# Altium PCB edison_gateway_v3.PcbDoc (part 2 of 3)
Units mil, origin at the board's own origin, x right, y up, seen from the top; angles counter-clockwise.
Board outline 3917.32 x 3149.61 mil, 6 copper layers (Top Layer, GND, Signal Layer 1, VCC, GND (Mid4), Bottom Layer), stack 48.468 mil thick; 252 components, 213 nets, 1042 pads, 505 vias.
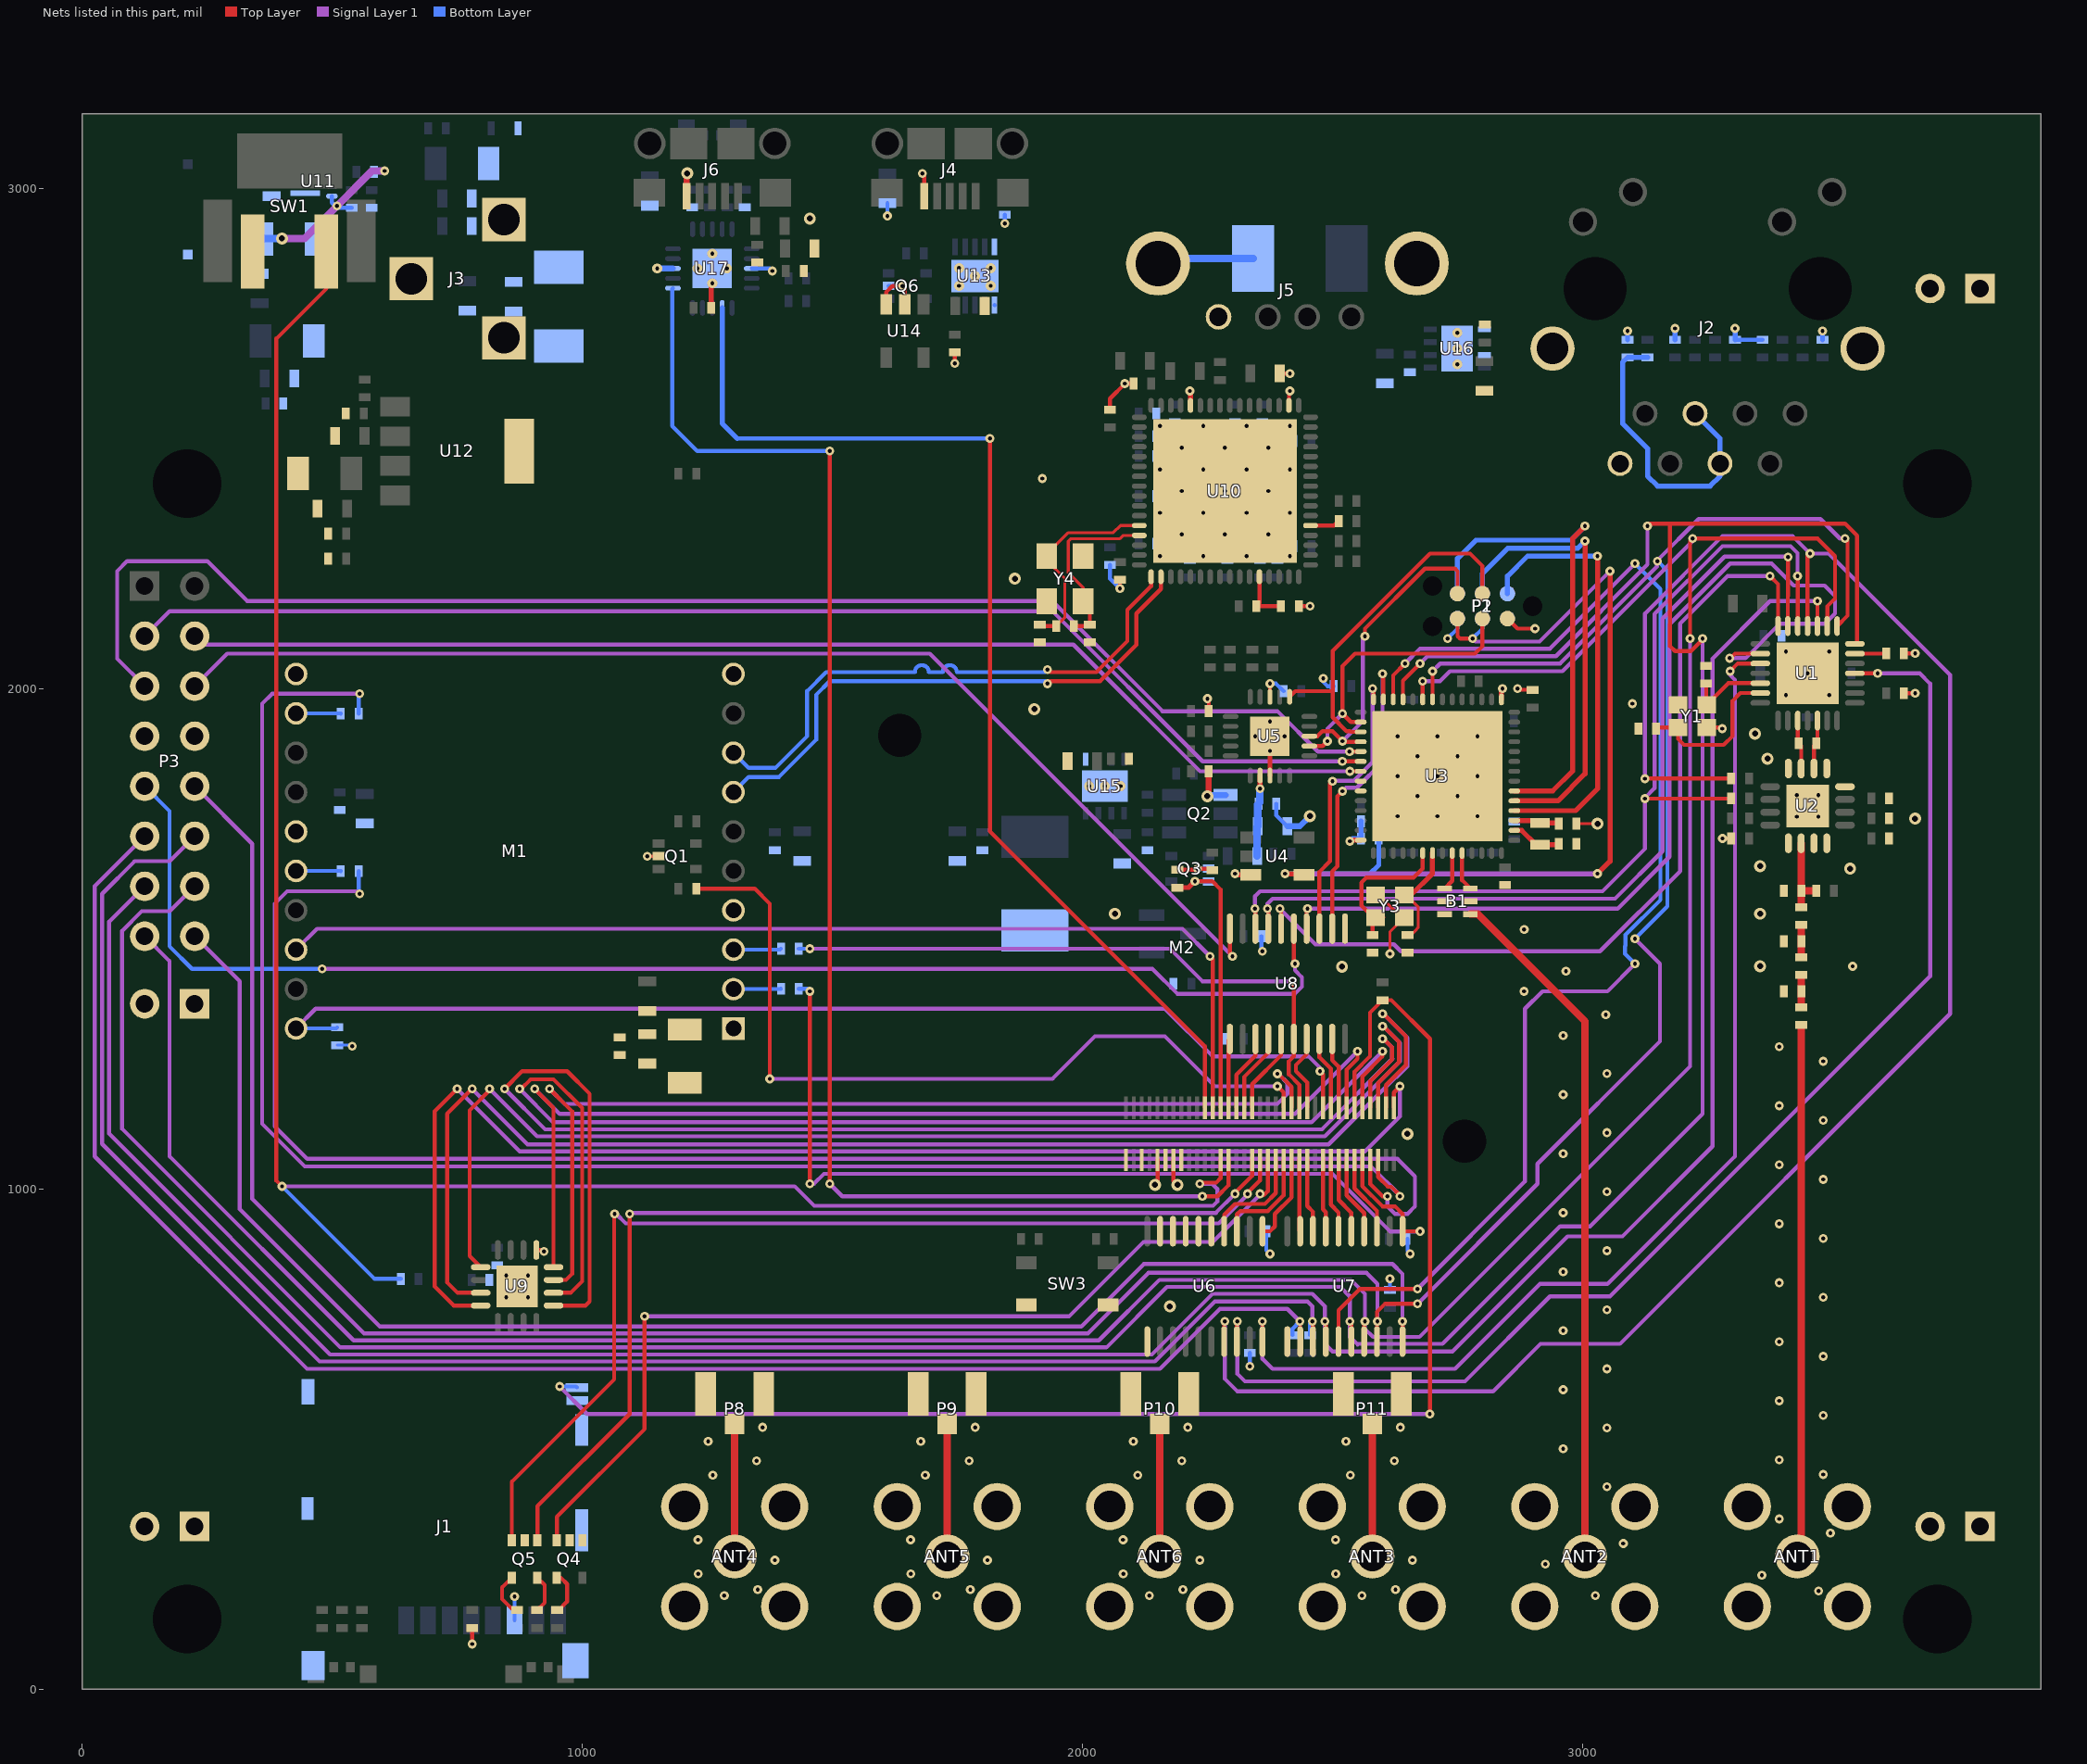
[diagram p6: the nets of this part, all layers, seen from the top]

## Part data
ANT1 ANT2 ANT3 ANT4 ANT5 ANT6: "CONN SMA JACK"
B1: "2.45 GHz Balun for TI CC253X"
C1 C49 C54 C58: library part TLNK107M010R2500, "100μF ±20% Molded Tantalum Capacitors 10V 1206"
C2 C5 C7 C8 C25 C51 C53 C55 C56 C57 C60 C61 C70 C93 C95 C97 C101 C103 C105 C107: library part GRM188C81C106MA73D, "10μF ±20% 16V Ceramic Capacitor X6S 0603"
C3 C4 C6 C9 C13 C14 C19 C24 C26 C32 C33 C34 C35 C36 C37 C38 C39 C63 C64 C65 C66 C67 C68 C69 C71 C72 C74 C75 C76 C77 C78 C79 C80 C81 C82 C83 C84 C85 C86 C87 C88 C89 C91 C106 C108 C111: library part GRM155R71C104KA88D, "0.10μF ±10% 16V Ceramic Capacitor X7R 0402"
C10 C20 C21 C30 C31: library part 500R07S120GV4T, "12pF ∮2% 50V Ceramic Capacitor C0G, NP0 0402"
C11 C29: library part C1005C0G1H102J050BA, "1000pF ∮5% 50V Ceramic Capacitor C0G, NP0 0402"
C12 C40 C52 C59 C62 C73 C92 C94 C96 C100 C102 C104: library part C1005X6S1C105K050BC, "1μF ±10% 16V Ceramic Capacitor X6S 0402"
C15: library part 500R07S180GV4T, "18pF ∮2% 50V Ceramic Capacitor C0G, NP0 0402"
C16 C17: library part 500R07S2R2BV4T, "2.2pF ∮0.1pF 50V Ceramic Capacitor C0G, NP0"
C18: library part 500R07S0R2AV4T, "0.20pF ∮0.05pF 50V Ceramic Capacitor C0G, NP0 0402"
C22 C23: library part 500R07S220GV4T, "22pF ∮2% 50V Ceramic Capacitor C0G, NP0 0402"
C27 C28 C109 C110: library part 500R07N470JV4T, "47pF ∮5% 50V Ceramic Capacitor C0G, NP0 0402"
C41 C42: library part GRM1555C1H330JA01D, "33pF ∮5% 50V Ceramic Capacitor C0G, NP0 0402"
C43: library part GRM155R71C103KA01D, "10000pF ∮10% 16V Ceramic Capacitor X7R 0402"
C44: library part GRM155R71H223KA12D, "0.022μF ±10% 50V Ceramic Capacitor X7R 0402"
C45 C46 C47 C48: library part GRM1555C1E150JA01D, "15pF ∮5% 25V Ceramic Capacitor C0G, NP0 0402"
C50: library part CL31A226MOCLNNC, "22μF ±20% 16V Ceramic Capacitor X5R 1206"
C90: library part C0402C221K5RACTU, "220pF ∮10% 50V Ceramic Capacitor X7R 0402"
C98 C99: library part TAJC157K010RNJ, "150μF ±10% Molded Tantalum Capacitors 10V 2312"
D1 D3: "Green 571nm LED Indication - Discrete 2V 0402 (1005 Metric)"
D2 D5 D9: "Red, Green, Blue (RGB) 626nm Red, 572nm Green, 470nm Blue LED Indication - Discrete 1.9V Red, 2V Green, 3.4V Blue 4-SMD"
D4 D6: "Orange 605nm LED Indication - Discrete 2.1V 0402"
D7: "Zener Diode 5.6V 1W ∮5% Surface Mount SMA"
D8: "Blue 463nm LED Indication - Discrete 2.8V 2-SMD"
D10: "Diode Array 1Pair Common Cathode Schottky 40V 200mA (DC) Surface Mount TO-236-3, SC-59, SOT-23-3"
FB1 FB2 FB3 FB4 FB5 FB6 FB7 FB8 FB9 FB10: library part BLM18SG221TN1D, "FERRITE BEAD 220 OHM 0603"
J1: "Micro SD Slot"
J2: "1x1 Tab-Down RJ45"
J3: "CONN PWR JACK 2.1X5.5MM HIGH CUR"
J4 J6: library part "Micro USB", "CONN USB MICRO B RECPT SMT R/A"
J5: library part A105221-ND, "USB 2.0 Type A"
L1: library part LQG15HS4N7S02D, "4.7nH Unshielded Multilayer Inductor 300mA 180 mOhm Max 0402 (1005 Metric)"
L2: library part L-07C6N8JV6T, "6.8nH Unshielded Multilayer Inductor 250mA 320 mOhm Max 0402 (1005 Metric)"
L3: library part LQG15HN1N0S02D, "1nH Unshielded Multilayer Inductor 300mA 100 mOhm Max 0402 (1005 Metric)"
L4: library part LQG15HN2N0S02D, "2nH Unshielded Multilayer Inductor 300mA 120 mOhm Max 0402 (1005 Metric)"
L5: library part 74404300047, "470nH Shielded Wirewound Inductor 3.8A 16 mOhm Max 1919 (4848 Metric)"
M1: "NimbeLink Skywire cat3, ATT GSM 4G modem"
P1 P2: "TC2030-MCP-NL"
P3 P4 P5 P6 P7: "100 mils standard header"
P8 P9 P10 P11: "U.FL, Ultra Miniature Coaxial Connector Receptacle, Male Pin 50 Ohm Surface Mount Solder"
Q1 Q3 Q4 Q5 Q6: "Common Source Dual N-Channel MOSFET"
Q2: "Load Switch"
R1 R2 R3 R4 R7 R36: library part CRCW04020000Z0EDHP, "RES SMD 0.0 OHM JUMPER 1/5W 0402"
R5 R19 R22 R23 R28 R46 R48 R49 R60 R61: library part CRCW0402330RFKED, "RES SMD 330 OHM 1% 1/16W 0402"
R6 R14 R16 R17 R55 R56 R62: library part CRCW0402100KFKED, "RES SMD 100K OHM 1% 1/16W 0402"
R8 R9 R10 R13 R15 R30 R31 R33 R34 R35 R39 R47 R54: library part CRCW040210K0FKED, "RES SMD 10K OHM 1% 1/16W 0402"
R11: library part RC0402FR-073K9L, "RES SMD 3.9K OHM 1% 1/16W 0402"
R12 R26: library part CRCW040256K0FKED, "RES SMD 56K OHM 1% 1/16W 0402"
R18 R27: library part CRCW0402100RFKED, "RES SMD 100 OHM 1% 1/16W 0402"
R20 R29 R37 R53: library part CRCW0402200RFKED, "RES SMD 200 OHM 1% 1/16W 0402"
R21 R24 R58 R59: library part CRCW040227R0FKED, "RES SMD 27 OHM 1% 1/16W 0402"
R25: library part CRCW04022K20FKED, "RES SMD 2.2K OHM 1% 1/16W 0402"
R38: library part RC0402FR-0712K4L, "RES SMD 12.4K OHM 1% 1/16W 0402"
R40 R50: library part CRCW04021M00FKED, "RES SMD 1M OHM 1% 1/16W 0402"
R41 R42 R43 R44: library part CRCW040249R9FKED, "RES SMD 49.9 OHM 1% 1/16W 0402"
R45: library part CRCW040210R0FKED, "RES SMD 10 OHM 1% 1/16W 0402"
R51: library part CRCW0402634KFKED, "RES SMD 634K OHM 1% 1/16W 0402"
R52: library part CRCW0402162KFKED, "RES SMD 162K OHM 1% 1/16W 0402"
R57: library part CRCW040212K0FKED, "RES SMD 12K OHM 1% 1/16W 0402"
SW1: "Tactile Switch SPST-NO Side Actuated Surface Mount, Right Angl"
SW3: "Tactile Switches"
U1: "2.4 GHZ IEEE 802.15.4/ZIGBEER RF TRANSCEIVER"
U2: "2.4-GHz Range Extender"
U3: "A Powerful System-On-Chip for 2.4-GHz IEEE 802.15.4, 6LoWPAN  and ZigBee Applications"
U4 U14: "Single Bus Buffer Gate With 3-State Output"
U5 U17: "USB to Full-Handshake UART Interface Chip, UHCI/OHCI/EHCI Compatible, USB 2.0 Compatible, -40 to +85 degC, 20-Pin QFN, Pb-Free, Tape and Reel"
U6 U7 U8: "TXS0108E-Q1 8-Bit Bi-directional, Level-Shifting, Voltage Translator  for Open-Drain and Push-Pull Applications"
U9: "6-Channel High-Speed Logic-Level Translators"
U10: "USB 2.0 Hub and 10/100  Ethernet Controller"
U11: "3-A Step-Down Converter With Hiccup Short-Circuit Protection  In 2 ⊙ 2 QFN Package"
U12: "LP387x 0.8-A Fast Ultra-Low-Dropout Linear Regulators"
U13: "High-Speed USB 2.0 (480-Mbps) 1:2 Multiplexer ¡V Demultiplexer  Switch With Single Enable"
U15 U16: "0.5A DUAL CHANNEL CURRENT-LIMITED  POWER SWITCH WITH OUTPUT DISCHARGE"
Y1 Y3: "MHz Range Crystal Unit"
Y2: "32768 Hz SMD Low profile crystal"
Y4: "Crystal 25.0000MHz 20ppm 18pF 50 Ohm"

## Free pads (board coordinates)
  round 0 hole 137 unplated: ""(210.32,140) ""(210.32,2410) ""(3710.32,140) ""(3710.32,2410)

## Via types
v1: diameter 18, hole 8, Top Layer to Bottom Layer, 397 vias
v2: diameter 24, hole 12, Top Layer to Bottom Layer, 59 vias
v3: diameter 20, hole 8, Top Layer to Bottom Layer, 28 vias
v4: diameter 22, hole 8, Top Layer to Bottom Layer, 13 vias
v5: diameter 19.68, hole 8, Top Layer to Bottom Layer, 8 vias

## Nets (pads, with @x,y where several pads share a name; then routed paths per layer and width w, separated by ;. In a path a pad name is that pad's centre, name@x,y a point inside that pad or via, vN(x,y) a via of type N, cw(c..) or ccw(c..) an arc to the next point about the centre after c; other vN are vias at no path point)
BLD_CTRL: P2.5 U3.18 U5.18 | length 641.1
  Top Layer w8: U5.18@2454.06,1905 2470.31,1905 2480.32,1915 2500.32,1915 v1(2520.32,1895) 2521.42,1893.9 U3.18@2556.77,1893.9 ; v1(2565.32,2105) 2565.32,2120.2 2685.11,2240 2745.32,2240 2750.32,2235 P2.5@2750.32,2190
  Signal Layer 1 w8: v1(2520.32,1895) 2561.32,1936 2561.32,2101 v1(2565.32,2105)
BLD_RX: P2.4 U3.16 U5.17 | length 597.7
  Top Layer w8: U5.17@2454.06,1885.31 2480.63,1885.31 v1(2490.32,1895) ; U3.16@2556.77,1933.27 2537.05,1933.27 v1(2520.32,1950) 2520.32,2045 2545.32,2070 2785.32,2070 2800.32,2085 P2.4@2800.32,2140
  Signal Layer 1 w8: v1(2490.32,1895) 2490.32,1920 v1(2520.32,1950)
BLD_TX: P2.3 U3.17 U5.1 | length 736.6
  Top Layer w8: U5.1@2414.69,1983.74 2425.95,1995 2500.32,1995 ; U3.17@2556.77,1913.58 2536.73,1913.58 2535.32,1915 2528.45,1915 2500.82,1942.63 2500.82,2075.5 2695.32,2270 2775.32,2270 2800.32,2245 P2.3@2800.32,2190
CC2520_RF_N: L2.1 U1.19 U2.2 | length 98.6
  Top Layer w8: U2.2@3463.11,1840.43 3463.11,1885.71 L2.1@3468.03,1890.63 3470,1892.6 U1.19@3470,1936.14
CC2520_RF_P: L2.2 U1.17 U2.3 | length 98.6
  Top Layer w8: U1.17@3430.63,1936.14 3430.63,1892.6 L2.2@3432.6,1890.63 3437.52,1885.71 U2.3@3437.52,1840.43
CC2538_PA3: P3.5 U3.19 | length 2905.3
  Top Layer w8: v1(2534.53,1874.21) U3.19@2556.77,1874.21
  Signal Layer 1 w8: P3.5@125.32,2005 70.32,2060 70.32,2235 90.32,2255 250.32,2255 330.32,2175 1940.32,2175 2160.32,1955 2390.32,1955 2471.1,1874.21 v1(2534.53,1874.21)
CC2538_PA4: P3.3 U3.20 | length 2576.8
  Top Layer w8: v1(2520.06,1854.74) 2520.32,1855 2556.3,1855 U3.20@2556.77,1854.53
  Signal Layer 1 w8: P3.3@125.32,2105 175.32,2155 1940.32,2155 2240.57,1854.74 v1(2520.06,1854.74)
CC2538_PA5: P3.4 U3.21 | length 2443.4
  Top Layer w8: v1(2535.32,1834.84) U3.21@2556.77,1834.84
  Signal Layer 1 w8: P3.4@225.32,2105 242.32,2088 1982.32,2088 2235.47,1834.84 v1(2535.32,1834.84)
CC2538_PA6: U3.22
CC2538_PA7: U3.23
CC2538_R\E\S\E\T\: P1.3 P2.6 R25.2 U4.4 | length 1978.3
  Top Layer w8: P2.6@2750.32,2140 2750.32,2105 2755.32,2100 v1(2780.32,2100)
  Top Layer w10: v1(2405.32,1630) 2441.06,1630 U4.4@2443.46,1627.6 ; v1(3030.32,1630) 3055.32,1655 v1(3055.32,2235)
  Signal Layer 1 w8: v1(2780.32,2100) 2786.32,2094 2914.32,2094 v1(3055.32,2235)
  Signal Layer 1 w10: v1(2405.32,1630) v1(3030.32,1630)
  Bottom Layer w8: v1(2780.32,2100) 2800.32,2120 P1.3@2800.32,2140
  Bottom Layer w10: v1(2405.32,1630) 2575.75,1630 2593.03,1647.28 R25.2@2593.03,1700
CC2538_RF_N: B1.3 U3.38 | length 77.7
  Top Layer w8: U3.38@2759.53,1671.46 2759.53,1616.97 B1.3@2775.91,1600.59
CC2538_RF_P: B1.4 U3.37 | length 77.1
  Top Layer w8: B1.4@2724.72,1600.59 2739.84,1615.71 U3.37@2739.84,1671.46
CC2538_TCK: P1.4 U3.47 | length 900.8
  Top Layer w10: U3.47@2863.86,1775.79 2951.1,1775.79 3005.32,1830 v1(3005.32,2295)
  Bottom Layer w10: P1.4@2800.32,2190 2800.32,2230 2851.32,2281 2991.32,2281 v1(3005.32,2295)
CC2538_TDO: P1.6 U3.48 | length 985.1
  Top Layer w10: U3.48@2863.86,1795.47 2940.79,1795.47 2980.32,1835 2980.32,2300 v1(3005.32,2325)
  Bottom Layer w10: P1.6@2750.32,2190 2750.32,2260 2787.32,2297 2977.32,2297 v1(3005.32,2325)
CC2538_TMS: P1.2 U3.46 | length 881.2
  Top Layer w10: U3.46@2863.86,1756.1 2986.42,1756.1 3030.32,1800 v1(3030.32,2265)
  Bottom Layer w10: P1.2@2850.32,2190 2850.32,2225 2890.32,2265 v1(3030.32,2265)
CELLULAR_DIO2: M1.18 M2.24 | length 2172.7
  Top Layer w8: v1(2255.32,1465) 2260.83,1459.49 M2.24@2260.83,1161.97
  Signal Layer 1 w8: M1.18@428.01,1478.15 469.86,1520 2200.32,1520 v1(2255.32,1465)
CELLULAR_ON/OFF: M1.20 M2.52 R6.1 | length 2284.9
  Top Layer w8: v1(2475.32,1235) 2481.3,1229.02 M2.52@2481.3,1161.97
  Signal Layer 1 w8: M1.20@428.01,1320.67 467.34,1360 2165.32,1360 2260.32,1265 2452.18,1265 2475.32,1241.87 v1(2475.32,1235)
  Bottom Layer w8: M1.20@428.01,1320.67 508.27,1320.67 R6.1@510.32,1322.72 ; v1(2475.32,1235) v1@2475.32,1241.87
CELLULAR_RST: M2.42 R7.1 | length 1649.4
  Top Layer w8: R7.1@1228.03,1600 1345.32,1600 1375.32,1570 v1(1375.32,1220) ; v1(2390.32,1205) 2402.56,1192.76 M2.42@2402.56,1161.97
  Signal Layer 1 w8: v1(1375.32,1220) 1940.32,1220 2025.32,1305 2165.32,1305 2265.32,1205 v1(2390.32,1205)
CELLULAR_UART_CTS: M1.12 R4.2 | length 89.8
  Bottom Layer w8: M1.12@428.01,1950.59 517.01,1950.59 R4.2@517.6,1950
CELLULAR_UART_RTS: M1.16 R3.2 | length 89.8
  Bottom Layer w8: M1.16@428.01,1635.63 516.97,1635.63 R3.2@517.6,1635
CELLULAR_UART_RX: M1.3 R2.2 | length 95.7
  Bottom Layer w8: M1.3@1302.62,1478.15 1395.75,1478.15 R2.2@1397.6,1480
CELLULAR_UART_TX: M1.2 R1.2 | length 95.2
  Bottom Layer w8: M1.2@1302.62,1399.41 1397.01,1399.41 R1.2@1397.6,1400
CELLULAR_USB_D_N: M1.8 U10.1 | length 1142.5
  Top Layer w8: v1(1930.32,2038) 1935.32,2033 2028.32,2033 2090.32,2095 2090.32,2157.61 2137.68,2204.98 U10.1@2137.68,2223.74
  Bottom Layer w8: M1.8@1302.62,1871.85 1332.99,1841.48 1386.34,1841.48 1450.04,1905.18 1450.04,1995.18 1487.86,2033 1665.32,2033 cw(c1679.32,2033) 1693.32,2033 1721.32,2033 cw(c1735.32,2033) 1749.32,2033 1765.32,2033 1925.32,2033 v1(1930.32,2038)
CELLULAR_USB_D_P: M1.7 U10.2 | length 1141
  Top Layer w8: v1(1930.32,2010) 1935.32,2015 2035.77,2015 2108.32,2087.54 2108.32,2150.16 2157.36,2199.21 U10.2@2157.36,2223.74
  Bottom Layer w8: M1.7@1302.62,1793.11 1332.99,1823.48 1393.8,1823.48 1468.04,1897.73 1468.04,1987.73 1495.32,2015 1925.32,2015 v1(1930.32,2010)
EDISON_CLK: M2.55 U7.5 | length 153.3
  Top Layer w8: M2.55@2512.8,1058.03 2512.8,977.52 2538.11,952.2 U7.5@2538.11,915.24
EDISON_CLK_3V3: P3.14 U1.28 U3.11 U7.16 | length 6920.9
  Top Layer w8: v1(2535.32,735) 2538.11,732.2 U7.16@2538.11,694.76 ; U3.11@2641.42,1978.54 2641.32,1978.65 2641.32,2016 v1(2675.32,2050) ; v1(3130.32,2325) 3135.32,2330 3525.32,2330 3549.32,2306 3549.32,2094.2 U1.28@3544.8,2089.68 ; 3175.32,2330 3175.32,2085 3185.32,2075 3217.18,2075 3240.32,2098.13 v1(3240.32,2100)
  Signal Layer 1 w8: P3.14@225.32,1605 175.32,1555 119.41,1555 80.32,1515.9 80.32,1119.68 517,683 2048.32,683 2169.32,804 2516.32,804 2535.32,785 v1(2535.32,735) 2535.32,704 2550.32,689 2551.32,690 2720.32,690 2955.32,925 3015.32,925 3240.32,1150 v1(3240.32,2100) ; v1(2675.32,2050) 2690.32,2065 2947.18,2065 3130.32,2248.13 v1(3130.32,2325)
EDISON_CS0: M2.53 U7.6 | length 149.2
  Top Layer w8: M2.53@2497.05,1058.03 2497.05,968.27 2512.52,952.8 U7.6@2512.52,915.24
EDISON_CS0_3V3: U3.12 U7.15 | length 2626.9
  Top Layer w8: U7.15@2512.52,694.76 2512.52,757.2 2555.32,800 v1(2670.32,800) ; U3.12@2621.73,1978.54 2621.73,2026.42 v1(2645.32,2050)
  Signal Layer 1 w8: v1(2645.32,2050) 2675.32,2080 2935.32,2080 v1(3105.32,2250) ; v1(2670.32,800) 2885.32,1015 2885.32,1360 2920.32,1395 3050.32,1395 v1(3105.32,1450)
  Bottom Layer w8: v1(3105.32,1450) 3085.32,1470 3085.32,1485 3086.32,1486 3086.32,1507.87 3156,1577.55 3156,2199.32 v1(3105.32,2250)
EDISON_CS1: M2.51 U7.7 | length 145.1
  Top Layer w8: M2.51@2481.3,1058.03 2481.3,959.02 2486.93,953.39 U7.7@2486.93,915.24
EDISON_CS1_3V3: P3.13 U1.3 U7.14 | length 5547.3
  Top Layer w8: v1(2485.32,735) 2486.93,733.39 U7.14@2486.93,694.76 ; U1.3@3470,2125.12 v1(3470,2175)
  Signal Layer 1 w8: P3.13@125.32,1605 54.32,1534 54.32,1110.68 496,669 2139.32,669 2260.32,790 2460.32,790 2485.32,765 v1(2485.32,735) 2485.32,690 2500.32,675 2740.32,675 2970.32,905 3080.32,905 3260.32,1085 3260.32,2060 3375.32,2175 v1(3470,2175)
EDISON_GP14: M2.48 U8.7 | length 156.1
  Top Layer w8: U8.7@2448.7,1299.76 2448.7,1269.09 2427.11,1247.5 2427.11,1235 2449.8,1212.31 M2.48@2449.8,1161.97
EDISON_GP14_3V3: U1.9 U8.14 | length 2028.5
  Top Layer w8: U8.14@2448.7,1520.24 2448.7,1558.39 v1(2450.32,1560) ; v1(3294.38,2060.93) 3296.25,2060.93 3305.31,2070 U1.9@3355.83,2070
  Signal Layer 1 w8: v1(2450.32,1560) 3070.32,1560 3174.32,1664 3174.32,2128.8 3295.52,2250 3378.45,2250 3422.45,2206 3484.32,2206 3505.32,2185 3505.32,2150 3485.32,2130 3395.32,2130 3326.25,2060.93 v1(3294.38,2060.93)
EDISON_GP19: M2.41 U6.3 | length 213.6
  Top Layer w8: U6.3@2309.29,915.24 2309.29,948.98 2316.06,955.75 2371.06,955.75 2402.56,987.24 M2.41@2402.56,1058.03
EDISON_GP19_3V3: U1.25 U6.18 | length 2616.4
  Top Layer w8: U6.18@2309.29,694.76 2309.29,733.98 v1(2310.32,735) ; U1.25@3544.8,2030.63 v1(3590.32,2030.63)
  Signal Layer 1 w8: v1(2310.32,735) 2310.32,630 2325.32,615 2765.32,615 2935.32,785 3055.32,785 3695.32,1425 3695.32,2010 3674.69,2030.63 v1(3590.32,2030.63)
EDISON_GP20: M2.43 U6.1 | length 175.6
  Top Layer w8: U6.1@2360.47,915.24 2375.55,915.24 2385.32,925 2385.32,950 2418.31,982.99 M2.43@2418.31,1058.03
EDISON_GP20_3V3: U1.10 U6.20 | length 2285.6
  Top Layer w8: v1(2360.32,735) 2360.47,734.84 U6.20@2360.47,694.76 ; v1(3295.32,2035) 3310.63,2050.31 U1.10@3355.83,2050.31
  Signal Layer 1 w8: v1(2360.32,735) 2360.32,660 2380.32,640 2745.32,640 2915.32,810 3050.32,810 3305.32,1065 3305.32,2017.5 3295.32,2027.5 v1(3295.32,2035)
EDISON_GP41: M2.54 U8.8 | length 147.2
  Top Layer w8: U8.8@2474.29,1299.76 2474.29,1262.89 2497.05,1240.14 M2.54@2497.05,1161.97
EDISON_GP41_3V3: U3.14 U8.13 | length 570.6
  Top Layer w8: U8.13@2474.29,1520.24 2474.29,1633.98 2495.32,1655 2495.32,1810 v1(2500.32,1815) ; v1(2580.32,2000) 2582.36,1997.95 U3.14@2582.36,1978.54
  Signal Layer 1 w8: v1(2500.32,1815) 2501.16,1815.84 2543.18,1815.84 2580.32,1852.97 v1(2580.32,2000)
EDISON_GP43: M2.56 U8.9 | length 143.1
  Top Layer w8: U8.9@2499.88,1299.76 2499.88,1257.1 2512.8,1244.19 M2.56@2512.8,1161.97
EDISON_GP43_3V3: U3.13 U8.12 | length 616.3
  Top Layer w8: U8.12@2499.88,1520.24 2499.88,1634.57 2510.1,1644.78 2510.1,1784.78 v1(2520.32,1795) ; v1(2600.32,2030) 2602.05,2028.27 U3.13@2602.05,1978.54
  Signal Layer 1 w8: v1(2520.32,1795) 2527.16,1801.84 2548.98,1801.84 2600.32,1853.17 v1(2600.32,2030)
EDISON_GP45: M2.26 Q3.5 R16.1 | length 562.7
  Top Layer w8: v1(2225.32,1615) 2260.32,1615 2276.57,1598.74 M2.26@2276.57,1161.97
  Top Layer w10: R16.1@2190.32,1602.28 2212.6,1602.28 v1(2225.32,1615)
  Bottom Layer w8: v1(2225.32,1615) 2252.13,1615 Q3.5@2252.72,1614.41
EDISON_GP46: M2.28 U8.1 | length 139
  Top Layer w8: M2.28@2292.32,1161.97 2292.32,1296.93 U8.1@2295.16,1299.76
EDISON_GP46_3V3: P3.6 U8.20 | length 2409.9
  Top Layer w8: U8.20@2295.16,1520.24 2295.16,1470.16 v1(2300.32,1465)
  Signal Layer 1 w8: P3.6@225.32,2005 290.32,2070 1695.32,2070 v1(2300.32,1465)
EDISON_GP47: M2.30 U8.3 | length 153.6
  Top Layer w8: M2.30@2308.07,1161.97 2308.07,1227.76 2346.34,1266.02 U8.3@2346.34,1299.76
EDISON_GP47_3V3: R9.1 U1.5 U8.18 | length 2028.2
  Top Layer w8: v1(2345.32,1560) 2346.34,1558.98 U8.18@2346.34,1520.24 ; v1(3125.32,1780) 3296.97,1780 R9.1@3297.6,1780.63 ; v1(3430.32,2225) 3430.63,2224.69 U1.5@3430.63,2125.12
  Signal Layer 1 w8: v1(2345.32,1560) 2345.32,1585 2355.32,1595 3040.32,1595 3125.32,1680 v1(3125.32,1780) 3125.32,1782 3144.32,1801 3144.32,2149.2 3280.11,2285 3416.32,2285 3430.32,2271 v1(3430.32,2225)
EDISON_GP48: M2.32 U8.4 | length 157.7
  Top Layer w8: M2.32@2323.82,1161.97 2323.82,1223.5 2371.93,1271.61 U8.4@2371.93,1299.76
EDISON_GP48_3V3: U1.6 U8.17 | length 1789.8
  Top Layer w8: v1(2370.32,1560) 2371.93,1558.39 U8.17@2371.93,1520.24 ; U1.6@3410.94,2125.12 3410.94,2185 3411.32,2185.37 v1(3411.32,2263.13)
  Signal Layer 1 w8: v1(2370.32,1560) 2370.32,1570 2380.32,1580 3065.32,1580 3160.32,1675 3160.32,2140 3284.32,2264 3410.45,2264 v1(3411.32,2263.13)
EDISON_GP49: M2.34 U8.5 | length 161.8
  Top Layer w8: M2.34@2339.57,1161.97 2339.57,1209.25 2397.52,1267.2 U8.5@2397.52,1299.76
EDISON_GP49_3V3: U1.7 U8.16 | length 1763
  Top Layer w8: v1(2395.32,1560) 2397.52,1557.8 U8.16@2397.52,1520.24 ; v1(3375.32,2225) 3391.26,2209.06 U1.7@3391.26,2125.12
  Signal Layer 1 w8: v1(2395.32,1560) 2466.32,1489 2623.18,1489 2637.18,1475 3035.32,1475 3195.32,1635 3195.32,2130 3290.32,2225 v1(3375.32,2225)
EDISON_GP183: M2.39 U6.4 | length 220.5
  Top Layer w8: U6.4@2283.7,915.24 2283.7,948.13 2305.32,969.75 2365.06,969.75 2386.81,991.5 M2.39@2386.81,1058.03
EDISON_GP183_3V3: R8.1 U1.4 U6.17 | length 4045.1
  Top Layer w8: U6.17@2283.7,694.76 2283.7,733.39 v1(2285.32,735) ; v1(3125.32,1820) 3125.94,1820.63 R8.1@3297.6,1820.63 ; U1.4@3450.32,2125.12 3450.32,2265 v1(3455.32,2270)
  Signal Layer 1 w8: v1(2285.32,735) 2285.32,620 2310.32,595 2821.32,595 2916.32,690 3075.32,690 3735.32,1350 3735.32,2027.5 3492.81,2270 v1(3455.32,2270) 3420.32,2305 3280.32,2305 3125.32,2150 v1(3125.32,1820)
EDISON_I2C_SCL: M2.45 U7.9 | length 143.5
  Top Layer w8: M2.45@2434.06,1058.03 2434.06,916.93 U7.9@2435.75,915.24
EDISON_I2C_SCL_3V3: P3.11 R31.2 U7.12 | length 3401.6
  Top Layer w8: v1(2435.32,735) 2435.75,734.57 U7.12@2435.75,694.76
  Signal Layer 1 w8: P3.11@125.32,1705 25.32,1605 25.32,1064.68 450,640 2155.32,640 2275.32,760 2410.32,760 v1(2435.32,735)
  Bottom Layer w8: R31.2@2420.32,707.72 2420.32,720 v1(2435.32,735)
EDISON_I2C_SDA: M2.47 U7.8 | length 147.6
  Top Layer w8: M2.47@2449.8,1058.03 2449.8,965.51 2461.34,953.98 U7.8@2461.34,915.24
EDISON_I2C_SDA_3V3: P3.12 R30.2 U7.13 | length 3486.9
  Top Layer w8: v1(2460.32,735) 2461.34,733.98 U7.13@2461.34,694.76
  Signal Layer 1 w8: P3.12@225.32,1705 175.32,1655 105.32,1655 40.32,1590 40.32,1089.68 475,655 2145.32,655 2265.32,775 2450.32,775 2460.32,765 v1(2460.32,735)
  Bottom Layer w8: R30.2@2455.32,707.72 2455.32,730 v1(2460.32,735)
EDISON_LED_BLUE: M2.37 Q4.5 | length 1927.2
  Top Layer w8: Q4.5@949.41,297.4 949.41,344.41 1125,520 v1(1125,745) ; v1@2362.92,987.4 2371.06,995.55 M2.37@2371.06,1058.03
  Signal Layer 1 w8: v1(1125,745) 1973.45,745 2122.45,894 2261.18,894 2355.32,988.13 v1(2355.32,990)
EDISON_LED_GREEN: M2.35 Q5.5 | length 2114.9
  Top Layer w8: Q5.5@859.41,297.4 859.41,414.41 1064,619 1064,949 v1(1065,950) ; v1(2330.32,990) 2330.32,991.87 2355.32,1016.87 M2.35@2355.32,1058.03
  Signal Layer 1 w8: v1(1065,950) 1068.13,950 1087.13,931 2273.18,931 2330.32,988.13 v1(2330.32,990)
EDISON_LED_RED: M2.33 Q5.3 | length 2038.1
  Top Layer w8: Q5.3@910.59,297.4 910.59,365.59 1095,550 v1(1095,950) ; v1(2305.32,990) 2305.32,991.87 2339.57,1026.12 M2.33@2339.57,1058.03
  Signal Layer 1 w8: v1(1095,950) 1097,952 2267.32,952 v1(2305.32,990)
EDISON_MISO: M2.59 U7.3 | length 161.4
  Top Layer w8: M2.59@2544.29,1058.03 2544.29,1001.02 2589.29,956.02 U7.3@2589.29,915.24
EDISON_MISO_3V3: P3.16 U1.1 U3.8 U7.18 | length 6198.2
  Top Layer w8: U7.18@2589.29,694.76 2589.29,753.98 2605.32,770 v1(2670.32,770) ; U3.8@2700.47,1978.54 v1(2700.47,2034.84) ; U1.1@3509.37,2125.12 3530.32,2146.06 3530.32,2295 v1(3525.32,2300)
  Signal Layer 1 w8: P3.16@225.32,1505 315.32,1415 315.32,959.68 564,711 2011.32,711 2132.32,832 2568.32,832 2590.32,810 v1(2590.32,735) ; v1(2670.32,770) 2910.32,1010 2910.32,1050 3155.32,1295 3155.32,1450 v1(3105.32,1500) ; v1(2700.47,2034.84) 2715.63,2050 2955.32,2050 3149.32,2244 v1@3149.32,2255 ; v1@3149.38,2255.93 3232.45,2339 3476.11,2339 3515.11,2300 v1(3525.32,2300)
  Bottom Layer w8: v1(3105.32,1500) 3170,1564.68 3170,2235.32 v1(3150.32,2255)
EDISON_MOSI: M2.57 U7.4 | length 157.4
  Top Layer w8: M2.57@2528.54,1058.03 2528.54,986.77 2563.7,951.61 U7.4@2563.7,915.24
EDISON_MOSI_3V3: P3.15 U1.2 U3.9 U7.17 | length 6257.9
  Top Layer w8: U7.17@2563.7,694.76 2563.7,733.39 v1(2565.32,735) ; v1(2680.32,2015) 2679.32,2014 2680.79,2012.53 U3.9@2680.79,1978.54 ; v1(3215.32,2100) 3215.32,2295 v1(3220.32,2300) 3470.32,2300 3505.32,2265 3505.32,2180 3489.68,2164.37 U1.2@3489.68,2125.12
  Signal Layer 1 w8: P3.15@125.32,1505 175,1455.32 175,1065 543,697 2033.32,697 2154.32,818 2537.32,818 2565.32,790 v1(2565.32,735) 2565.32,720 2581.32,704 2674.32,704 3215.32,1245 v1(3215.32,2100) ; v1(2680.32,2015) 2715.32,2015 2735.32,2035 2960.11,2035 3220.32,2295.2 v1(3220.32,2300)
EDISON_SD_C\D\: J1.9 M2.60 R34.2 | length 2913.8
  Top Layer w8: M2.60@2544.29,1161.97 2544.29,1233.98 2575.32,1265 2575.32,1352.28 R34.2@2600.32,1377.28 2618.03,1377.28 2695.32,1300 2695.32,550.32 v1(2695,550)
  Signal Layer 1 w8: v1(955,605) 1010,550 v1(2695,550)
  Bottom Layer w8: v1(955,605) 987.56,605 J1.9@989.57,602.99
EDISON_SD_CLK: M2.58 U9.12 | length 2212.1
  Top Layer w8: v1(905,1200) 942.83,1162.17 U9.12@942.83,843.39 ; M2.58@2528.54,1161.97 2528.54,1238.23 2550.32,1260 v1(2550.32,1275)
  Signal Layer 1 w8: v1(905,1200) 955,1150 2425.32,1150 v1(2550.32,1275)
EDISON_SD_CLK_FB: M2.44 U9.11 | length 2057
  Top Layer w8: v1(935,1200) 980,1155 980,830 967.8,817.8 U9.11@942.83,817.8 ; v1(2390.32,1230) 2392.18,1230 2418.31,1203.88 M2.44@2418.31,1161.97
  Signal Layer 1 w8: v1(935,1200) 965,1170 2390.32,1170 2410.32,1190 2410.32,1211.87 2392.18,1230 v1(2390.32,1230)
EDISON_SD_CMD: M2.62 U9.10 | length 2511.6
  Top Layer w8: v1(875,1200) 878.13,1200 897.13,1219 942.87,1219 1000,1161.87 1000,815 977.2,792.2 U9.10@942.83,792.2 ; M2.62@2560.04,1161.97 2560.04,1224.72 2600.32,1265 v1(2600.32,1275)
  Signal Layer 1 w8: v1(875,1200) 942,1133 2458.32,1133 v1(2600.32,1275)
EDISON_SD_DAT0: M2.66 U9.1 | length 2584.9
  Top Layer w8: U9.1@797.17,843.39 775,865.55 775,1157 815,1197 v1(815,1200) ; M2.66@2591.54,1161.97 2591.54,1211.42 2633.32,1253.2 2633.32,1293.87 2602.18,1325 v1(2600.32,1325)
  Signal Layer 1 w8: v1(815,1200) 910,1105 2485.32,1105 2635.32,1255 2635.32,1291.87 2602.18,1325 v1(2600.32,1325)
EDISON_SD_DAT1: M2.70 U9.4 | length 2595.9
  Top Layer w8: v1(750,1200) 705,1155 705,805 743.39,766.61 U9.4@797.17,766.61 ; M2.70@2623.03,1161.97 2623.03,1192.72 v1(2635.32,1205)
  Signal Layer 1 w8: v1(750,1200) 875,1075 2565.32,1075 2635.32,1145 v1(2635.32,1205)
EDISON_SD_DAT2: M2.64 U9.9 | length 2775.5
  Top Layer w8: v1(845,1200) 880,1235 970,1235 1015,1190 1015,775 1006.61,766.61 U9.9@942.83,766.61 ; M2.64@2575.79,1161.97 2575.79,1215.47 2619.32,1259 2619.32,1282.87 2602.18,1300 v1(2600.32,1300)
  Signal Layer 1 w8: v1(845,1200) 926,1119 2479.32,1119 2620.32,1260 2619.32,1261 2619.32,1282.87 2602.18,1300 v1(2600.32,1300)
EDISON_SD_DAT3: M2.68 U9.3 | length 2816.3
  Top Layer w8: v1(780,1200) 730,1150 730,813.13 750.93,792.2 U9.3@797.17,792.2 ; v1(2600.32,1350) 2602.18,1350 2647.32,1304.87 2647.32,1247.4 2607.28,1207.37 M2.68@2607.28,1161.97
  Signal Layer 1 w8: v1(780,1200) 891,1089 2492.45,1089 2627.45,1224 2629.32,1224 2650.32,1245 2650.32,1301.87 2602.18,1350 v1(2600.32,1350)
EDISON_SERIAL_RX: M2.22 U17.17 | length 2294.9
  Top Layer w8: v1(1815.32,2500) 1815.32,1715 2245.08,1285.24 M2.22@2245.08,1161.97
  Bottom Layer w8: 1310.32,2500 v1(1815.32,2500)
  Bottom Layer w10: U17.17@1280,2761.26 1280,2530.31 1310.32,2500
EDISON_SERIAL_TX: M2.27 U17.1 | length 2944.4
  Top Layer w8: v1(1495,1010) v1(1495,2475) ; v1(2240.32,985) 2270.32,985 2292.32,1007.01 M2.27@2292.32,1058.03
  Signal Layer 1 w8: v1(1495,1010) 1520,985 v1(2240.32,985)
  Bottom Layer w8: U17.1@1181.57,2800.63 1180.32,2799.37 1180.32,2525 1230.32,2475 v1(1495,2475)
EDISON_SW1: M2.25 R33.2 SW1.2 | length 4275.7
  Top Layer w8: v1(400,1005) 388.75,1016.25 388.75,2700 488.75,2800 SW1.2@488.75,2884 ; v1(2235.32,1010) 2237.82,1012.5 2267.82,1012.5 2276.57,1021.26 M2.25@2276.57,1058.03
  Signal Layer 1 w8: v1(400,1005) 1425,1005 1464,966 2261.52,966 2270,974.48 2270,1000 2260,1010 v1(2235.32,1010)
  Bottom Layer w8: v1(400,1005) 585,820 R33.2@637.28,820
EDISON_UART_CTS: M2.65 R4.1 | length 3515.6
  Top Layer w8: M2.65@2591.54,1058.03 2591.54,1023.78 2611.32,1004 2618.18,1004 2635.32,986.87 v1(2635.32,985)
  Signal Layer 1 w8: v1(555.32,1990) 380.32,1990 360.32,1970 360.32,1130 445.32,1045 2577.18,1045 2635.32,986.87 v1(2635.32,985)
  Bottom Layer w8: R4.1@553.03,1950 553.03,1987.72 v1(555.32,1990)
EDISON_UART_RTS: M2.63 R3.1 | length 3235.4
  Top Layer w8: M2.63@2575.79,1058.03 2575.79,1009.53 2600.32,985 v1(2610.32,985)
  Signal Layer 1 w8: v1(555.32,1590) 550.32,1595 410.32,1595 385.32,1570 385.32,1125 450.32,1060 2630.32,1060 2665.32,1025 2665.32,965 2650.32,950 2625.32,950 2610.32,965 v1(2610.32,985)
  Bottom Layer w8: R3.1@553.03,1635 553.03,1592.28 v1(555.32,1590)
EDISON_UART_RX: M2.61 R1.1 U7.1 | length 1916
  Top Layer w8: v1(1455.32,1010) v1(1455.32,1395) ; M2.61@2560.04,1058.03 2560.04,1005.28 2600.32,965 2625.32,965 2640.47,949.84 U7.1@2640.47,915.24 2675.08,915.24 v1(2675.32,915)
  Signal Layer 1 w8: v1(1455.32,1010) 1463.45,1010 1483.45,1030 2154.43,1030 2500.32,1030 2615.32,915 v1(2675.32,915)
  Bottom Layer w8: R1.1@1433.03,1400 1450.32,1400 v1(1455.32,1395) v1@1455.32,1400
EDISON_UART_RX_3V3: P3.10 U7.20 | length 3473.6
  Top Layer w8: v1(2640.32,735) 2640.47,734.84 U7.20@2640.47,694.76
  Signal Layer 1 w8: P3.10@225.32,1805 340.32,1690 340.32,980 595.32,725 1998.32,725 2123.32,850 2620.32,850 2640.32,830 v1(2640.32,735)
EDISON_UART_TX: M2.46 R2.1 U8.6 | length 1281.2
  Top Layer w8: v1(2420.32,1415) 2423.11,1412.2 U8.6@2423.11,1299.76 2423.11,1265 2413.11,1255 2413.11,1228.87 2434.06,1207.93 M2.46@2434.06,1161.97
  Signal Layer 1 w8: v1(1455.32,1480) 2175.32,1480 2240.32,1415 v1(2420.32,1415)
  Bottom Layer w8: R2.1@1433.03,1480 v1(1455.32,1480)
EDISON_UART_TX_3V3: P3.9 U8.15 | length 2773
  Top Layer w8: U8.15@2423.11,1520.24 2423.11,1452.2 v1(2425.32,1450)
  Signal Layer 1 w8: v1(480.32,1440) 2140.32,1440 2190.32,1390 2425.32,1390 2439.32,1404 2439.32,1422.87 2425.32,1436.87 v1(2425.32,1450)
  Bottom Layer w8: P3.9@125.32,1805 175,1755.32 175,1485 220,1440 v1(480.32,1440)
GND: ANT1.1 ANT2.1 ANT3.1 ANT4.1 ANT5.1 ANT6.1 B1.2 B1.5 B1.6 C1.2 C2.2 C3.2 C4.2 C5.2 C6.2 C7.2 C8.2 C9.2 C10.2 C11.2 C12.2 C13.2 C14.2 C16.2 C17.2 C18.2 C19.2 C20.1 C21.1 C22.2 C23.2 C24.2 C25.2 C26.2 C27.1 C28.1 C29.2 C30.1 C31.1 C32.2 C33.2 C34.2 C35.2 C36.2 C37.2 C38.2 C39.2 C40.2 C41.2 C42.2 C43.2 C44.2 C45.2 C46.2 C47.2 C48.2 C49.2 C50.2 C51.2 C52.2 C53.2 C54.2 C55.2 C56.2 C57.2 C58.2 C59.2 C60.2 C61.2 C62.2 C63.2 C64.2 C65.2 C66.2 C67.2 C68.2 C69.2 C70.2 C71.2 C72.2 C73.2 C74.2 C75.2 C76.2 C77.2 C78.2 C79.2 C80.2 C81.2 C82.2 C83.2 C84.2 C85.2 C86.2 C87.2 C88.2 C89.2 C90.2 C91.2 C92.2 C93.2 C94.2 C95.2 C96.2 C97.2 C98.2 C99.2 C100.2 C101.2 C102.2 C103.2 C104.2 C105.2 C106.2 C107.2 C108.2 C109.2 C110.2 C111.2 D7.1 D8.2 FB8.1 FB10.1 J1.6 J1.10 J1.11 J1.12 J1.13 J1.14 J1.15 J1.16 J2.8 J2.13 J2.14 J3.2 J3.3 J4.5 J5.4 J5.5 J5.6 J6.5 M1.4 M1.10 M1.11 M1.15 M2.1 M2.5 M2.9 M2.11 M2.13 M2.15 P1.5 P2.2 P3.7 P3.8 P4.1 P4.2 P5.1 P5.2 P6.1 P6.2 P7.1 P7.2 P8.1 P9.1 P10.1 P11.1 Q1.4 Q2.1 Q3.4 Q4.3 Q4.4 Q5.4 Q6.4 R6.2 R11.2 R12.2 R16.2 R17.2 R26.2 R38.1 R52.2 R56.2 R57.2 R62.2 SW1.4 SW3.3 SW3.4 U1.29 U2.1 U2.4 U2.9 U2.11 U2.12 U2.16 U2.17 U3.1 U3.57 U4.3 U5.3 U5.13 U5.21 U6.5 U6.6 U6.7 U6.8 U6.9 U6.11 U7.11 U8.11 U9.13 U9.17 U10.34 U10.44 U10.65 U11.5 U12.5 U13.5 U13.6 U13.11 U14.2 U14.3 U15.1 U15.9 U16.1 U16.3 U16.9 U17.3 U17.13 U17.21 Y1.2 Y1.4 Y3.2 Y3.4 Y4.2 Y4.4 | length 2564
  Top Layer w6: v1(1130.32,1665) Q1.4@1152.91,1665 ; Y3.4@2586.77,1587.64 2592.68,1587.64 2637.95,1542.36 Y3.2@2643.86,1542.36 2615.32,1513.82 v1(2615.32,1470) ; Y3.2@2651.35,1542.36 Y3.2@2658.86,1542.36 ; C22.2@2988.03,1730 v2(3030.32,1730)
  Top Layer w8: v1(780,90) C39.2@780,122.28 ; U9.13@908.39,877.83 921,877.83 v1(923.83,875) ; U14.3@1607.91,2768.15 1607.91,2792.6 1620.32,2805 v1(1640.32,2805) 1645.32,2800 U14.2@1645.32,2768.15 ; v1(1680.32,3030) 1684.13,3026.18 J4.5@1684.13,2984.68 ; v1(1745.32,2650) C92.2@1745.32,2672.28 ; R38.1@2055.32,2557.72 2055.32,2580 v1(2085.32,2610) ; v1(2075.32,2200) R57.2@2075.32,2217.28 ; v2@2145.32,1010 v2(2145.32,1008) 2150.59,1013.28 M2.9@2150.59,1058.03 ; M2.13@2182.09,1058.03 2182.09,1016.23 v2(2190.32,1008) ; R16.2@2190.32,1637.72 2228.03,1637.72 v1(2230.32,1640) 2257.6,1640 R17.2@2260.32,1637.28 ; v1(2250.32,1980) 2253.03,1977.28 C28.1@2253.03,1955 ; U5.3@2375.32,1983.74 v1(2375.32,2010) ; C70.2@2394.84,2630 v1(2415.32,2630) ; U10.34@2413.27,2566.26 2413.27,2592.95 v1(2415.32,2595) ; C43.2@2433.03,2165 v1(2455.32,2165) ; P2.2@2850.32,2140 2870.32,2120 v1(2905.32,2120) v1@2905.32,2115 ; v1(2870.32,2000) 2872.6,1997.72 C64.2@2900.32,1997.72 ; Y1.4@3248.54,1922.36 3277.64,1922.36 v1(3280,1920) ; v1@3275.32,1700.63 v1(3280.32,1700.63) R11.2@3297.6,1700.63 ; R12.2@3643.03,1990.63 v1(3665.32,1990.63) ; C19.2@3643.03,2070.63 v1(3665.32,2070.63)
  Top Layer w10: C106.2@1258.35,2761.26 1258.35,2808.51 v5(1260.31,2810.48) ; v1(2085.32,2610) C74.2@2102.6,2610 ; v1(2215.32,2595) 2216.42,2593.9 U10.44@2216.42,2566.26 ; v1(2305.32,1630) 2307.72,1627.6 U4.3@2337.17,1627.6 ; U5.13@2375.32,1826.26 U5.21@2375.32,1905 ; U3.1@2838.27,1978.54 2838.27,1997.95 v1(2840.32,2000)
  Top Layer w12: J6.5@1209.13,2984.68 1209.13,3028.82 v2(1210.32,3030) ; v2(2250.32,1785) 2253.03,1787.72 C27.1@2253.03,1835
  Bottom Layer w6: R6.2@510.32,1287.28 538.03,1287.28 v1(540.32,1285) ; C68.2@2593.03,1770 C29.2@2593.03,1735 2603.03,1745 v4(2630.32,1745) 2630.32,1712.72 C65.2@2625.32,1707.72 C75.2@2660.32,1707.72
  Bottom Layer w8: J1.6@864.96,137.44 864.96,184.96 v1(865,185) ; U17.13@1339.06,2840 1375.32,2840 v1(1380.32,2835) ; v1(1610.32,2945) FB8.1@1610.32,2970.47 ; Q6.4@1612.91,2805 v1(1640.32,2805) ; U13.6@1824.69,2766.93 U13.6@1825.32,2766.3 ; v1(1845.32,2930) R56.2@1845.32,2947.28 ; C73.2@2055.32,2247.28 2055.32,2220 v1(2075.32,2200) ; v1(2230.32,1640) Q3.4@2252.72,1640 ; v1(2335.32,645) C36.2@2335.32,672.28 ; C37.2@2358.03,1505 2358.03,1477.28 v1(2360.32,1475) ; C33.2@2368.03,915 2368.03,877.28 v1(2375.32,870) ; v1(2375.32,2010) 2387.6,2010 C26.2@2402.6,1995 ; C24.2@2388.03,1770 2388.03,1746.81 C25.2@2409.84,1725 ; v1(2481.82,2020.37) 2481.82,2013.5 2490.32,2005 C67.2@2502.6,2005 ; C40.2@2615.32,797.72 v1(2615.32,820) ; C32.2@2650.32,900 2650.32,875 v1(2655.32,870) ; v1(2730.32,2100) 2750.32,2120 P1.5@2750.32,2140 ; C47.2@3305.32,2697.72 C46.2@3360.32,2697.72
  Bottom Layer w10: C44.2@3090.32,2697.72 v1(3090.32,2715) ; C48.2@3185.32,2697.72 v1(3185.32,2720) ; C47.2@3305.32,2697.72 v1(3305.32,2720) ; C45.2@3480.32,2697.72 v1(3480.32,2715)
  Bottom Layer w12: v3(1150.32,2840) U17.3@1181.57,2840 ; v2(2250.32,1785) 2252.72,1787.4 Q2.1@2286.89,1787.4 ; C25.2@2409.84,1725 2435.32,1725 v2(2455.32,1745)
  Bottom Layer w15: J5.6@2151.65,2850 2161.65,2860 C99.2@2341.81,2860
  other v1: 1284.28,187.03 1709.28,187.03 2134.28,187.03 2559.28,187.03 3025.9,187 3472.6,196.26 1351.24,198.89 1776.24,198.89 2201.24,198.89 2626.24,198.89 3358.81,227.5 1232.03,230.54 1657.03,230.54 2082.03,230.54 2507.03,230.54 2926.02,249.83 1385.34,257.72 1810.34,257.72 2235.34,257.72 2660.34,257.72 3081.83,290.9 1231.65,298.54 1656.65,298.54 2081.65,298.54 2506.65,298.54 3495.89,311.94 3393.79,340.2 3049.12,404.27 1261.2,427.79 1686.2,427.79 2111.2,427.79 2536.2,427.79 3481.4,429.04 1348.8,456.36 1773.8,456.36 2198.8,456.36 2623.8,456.36 3393.79,458.2 2961.51,480.36 1252.19,495.19 1677.19,495.19 2102.19,495.19 2527.19,495.19 3049.12,522.27 1361,523.26 1786,523.26 2211,523.26 2636,523.26 3481.4,547.04 3393.79,576.2 2961.51,598.36 3049.12,640.27 3481.4,665.04 3393.79,694.2 2961.51,716.36 3049.12,758.27 848.35,783.35 891.65,783.35 3481.4,783.04 3393.79,812.2 848.35,826.65 891.65,826.65 2961.51,834.36 3049.12,876.27 3481.4,901.04 3393.79,930.2 2961.51,952.36 3049.12,994.27 3481.4,1019.04 3393.79,1048.2 2961.51,1070.36 3049.12,1112.27 3481.4,1137.04 3393.79,1166.2 2961.51,1188.36 3049.12,1230.27 3481.4,1255.04 3393.79,1284.2 2961.51,1306.36 3046.88,1348.25 2883.48,1394.88 2967.08,1435.18 3540.32,1445 2883.65,1518.62 3428.66,1743.98 3471.97,1743.98 3428.66,1787.28 3471.97,1787.28 3100,1970 3407.01,1987.32 3493.62,1987.32 3450.32,2030.63 3407.01,2073.94 3493.62,2073.94 2155.39,2265.08 2242.01,2265.08 2328.62,2265.08 2415.24,2265.08 2198.7,2308.39 2285.32,2308.39 2371.93,2308.39 2155.39,2351.69 2242.01,2351.69 2328.62,2351.69 2415.24,2351.69 2198.7,2395 2285.32,2395 2371.93,2395 1920,2420 2155.39,2438.31 2242.01,2438.31 2328.62,2438.31 2415.24,2438.31 2198.7,2481.61 2285.32,2481.61 2371.93,2481.61 2155.39,2524.92 2242.01,2524.92 2328.62,2524.92 2415.24,2524.92
  other v2: 2175.32,765 2650.32,1110 2519.45,1444.15 3355.32,1445 2065.32,1550 3355.32,1550 3535.32,1640 3355.32,1645 3665.32,1740 3370.32,1860 3345.32,1910 1904.32,1959 1865.32,2220 1455.32,2940
  other v3: 2013.82,1805 2045.31,1805 2076.81,1805 2750,2648.5 2750,2680 2750,2711.5 1753.82,2805.32 1816.81,2805.32 1785.32,2825 1753.82,2840.75 1816.81,2840.75
  other v4: 2710.32,1745 2790.32,1745 2670.32,1785 2750.32,1785 2630.32,1825 2710.32,1825 2790.32,1825 2670.32,1865 2750.32,1865 2630.32,1905 2710.32,1905 2790.32,1905
  other v5: 2375.31,1875.48 2345.78,1905 2404.84,1905 2375.31,1934.53 1230.78,2840 1289.84,2840 1260.31,2869.53
L\N\K\A\: R48.1 U10.21 | length 59.7
  Top Layer w8: U10.21@2456.57,2326.1 2503.7,2326.1 R48.1@2512.6,2335
LED_BLUE: Q4.1 R27.1 | length 88
  Top Layer w8: Q4.1@949.41,222.6 957.4,222.6 970,210 970,175 952.72,157.72 R27.1@950,157.72
LED_GREEN: Q5.1 R29.1 | length 89.9
  Top Layer w8: Q5.1@859.41,222.6 840,203.19 840,180 862.28,157.72 R29.1@870,157.72
LED_RED: Q5.2 R28.1 | length 77.1
  Top Layer w8: R28.1@910,157.72 925,172.72 925,208.19 Q5.2@910.59,222.6
NetANT1_2: ANT1.2 C15.2 | length 1062.9
  Top Layer w14.7: ANT1.2@3437.6,265 C15.2@3437.6,1327.91
NetANT2_2: ANT2.2 B1.1 | length 1388.2
  Top Layer w14.7: B1.1@2775.91,1549.41 2790.91,1549.41 3005.32,1335 ANT2.2@3005.32,265
NetANT3_2: ANT3.2 P11.2 | length 265
  Top Layer w14.7: ANT3.2@2580,265 P11.2@2580,529.96
NetANT4_2: ANT4.2 P8.2 | length 265
  Top Layer w14.7: ANT4.2@1305,265 P8.2@1305,529.96
NetANT5_2: ANT5.2 P9.2 | length 265
  Top Layer w14.7: ANT5.2@1730,265 P9.2@1730,529.96
NetANT6_2: ANT6.2 P10.2 | length 265
  Top Layer w14.7: ANT6.2@2155,265 P10.2@2155,529.96
NetC1_1: C1.1 C4.1 C5.1 FB1.1 M1.1
NetC15_1: C15.1 C18.1 L4.1 | length 64.6
  Top Layer w14.7: C15.1@3437.6,1363.35 L4.1@3437.6,1427.91
NetC16_1: C16.1 L1.2 L3.2 U2.10 | length 189.5
  Top Layer w8: L3.2@3437.6,1563.35 3438.03,1563.78 C16.1@3438.03,1595.63
  Top Layer w14.7: U2.10@3437.52,1690.83 3437.52,1563.43 L3.2@3437.6,1563.35 ; C16.1@3438.03,1595.63 L1.2@3467.6,1595.63
NetC17_1: C17.1 L3.1 L4.2 | length 64.6
  Top Layer w14.7: L4.2@3437.6,1463.35 L3.1@3437.6,1527.91
NetC19_1: C19.1 U1.27 | length 63.1
  Top Layer w8: U1.27@3544.8,2070 3606.97,2070 C19.1@3607.6,2070.63
NetC20_2: C20.2 U1.12 Y1.1 | length 167.9
  Top Layer w8: C20.2@3247.72,2010 3247.72,1968.46 Y1.1@3248.54,1967.64 3291.85,2010.94 U1.12@3355.83,2010.94
NetC21_2: C21.2 U1.13 Y1.3 | length 323.2
  Top Layer w8: C21.2@3145.32,1920.63 3147.05,1922.36 Y1.3@3191.46,1922.36 3191.46,1909.65 3191.46,1899.49 3203.39,1887.56 3282.56,1887.56 3300.32,1905.32 3300.32,1975.63 3315.94,1991.26 U1.13@3355.83,1991.26
NetC22_1: C22.1 U3.45 Y2.2 | length 91.4
  Top Layer w10: U3.45@2863.86,1736.42 2910.55,1736.42 Y2.2@2915.32,1731.65 2950.95,1731.65 C22.1@2952.6,1730
NetC23_1: C23.1 U3.44 Y2.1 | length 101.2
  Top Layer w10: U3.44@2863.86,1716.73 2878.58,1716.73 2906.97,1688.35 Y2.1@2915.32,1688.35 2950.95,1688.35 C23.1@2952.6,1690
NetC24_1: C24.1 C25.1 FB3.1 U5.12 | length 163.7
  Top Layer w10: v1(2355.32,1800) 2355.63,1800.32 U5.12@2355.63,1826.26
  Bottom Layer w15: FB3.1@2349.84,1665 2349.84,1724.06 C25.1@2350.79,1725 2350.79,1768.19 C24.1@2352.6,1770 2355.32,1772.72 v1(2355.32,1800)
NetC29_1: C29.1 R25.1 U3.28 | length 81.7
  Top Layer w10: v1(2535.32,1695) 2537.36,1697.05 U3.28@2556.77,1697.05
  Bottom Layer w10: v1(2535.32,1695) 2540.32,1700 R25.1@2557.6,1700 C29.1@2557.6,1735
NetC30_2: C30.2 U3.34 Y3.1 | length 296.1
  Top Layer w8: C30.2@2580.32,1507.72 2580.32,1535.91 Y3.1@2586.77,1542.36 2582.47,1542.36 2558.07,1566.76 2558.07,1612.18 2568.11,1622.21 2662.52,1622.21 2680.32,1640 2680.32,1670.98 U3.34@2680.79,1671.46 ; Y3.1@2595.32,1535.91 Y3.1@2601.77,1542.36
NetC31_2: C31.2 U3.35 Y3.3 | length 214.3
  Top Layer w6: Y3.3@2647.68,1587.64 2671.56,1563.76 2671.56,1521.9 2666.29,1516.63 2657.37,1507.72 C31.2@2650.32,1507.72
  Top Layer w10: Y3.3@2647.68,1587.64 2657.4,1587.64 2700.32,1630.55 2700.32,1671.3 U3.35@2700.47,1671.46 U3.35@2700.32,1671.46
NetC41_1: C41.1 R40.1 U10.61 Y4.3 | length 365.1
  Top Layer w6: Y4.3@2001.73,2174.72 2001.73,2201.97 1972.06,2231.64 1972.06,2294.59 1977.34,2299.87 2075.58,2299.87 2082.13,2306.42 U10.61@2114.06,2306.42
  Top Layer w8: R40.1@1983.03,2125 2012.6,2125 C41.1@2015.32,2127.72 2015.32,2161.14 Y4.3@2001.73,2174.72
NetC42_1: C42.1 R40.2 U10.60 Y4.1 | length 408.3
  Top Layer w6: R40.2@1947.6,2125 1965.32,2142.72 1965.32,2220 1928.9,2256.42 Y4.1@1928.9,2265.28 1928.9,2268.4 1972.36,2311.87 2062.18,2311.87 2076.42,2326.1 U10.60@2114.06,2326.1
  Top Layer w8: C42.1@1915.32,2127.72 1918.03,2125 R40.2@1947.6,2125
NetC43_1: C43.1 R47.2 U10.12 | length 111
  Top Layer w8: U10.12@2354.21,2223.74 2354.32,2223.64 2354.32,2171.28 R47.2@2348.03,2165 C43.1@2397.6,2165
NetC44_1: C44.1 J2.4 J2.5 R45.2 | length 609.4
  Bottom Layer w10: R45.2@3130.32,2662.28 C44.1@3090.32,2662.28 3080.32,2652.28 3080.32,2530 3130.32,2480 3130.32,2425 3150.32,2405 3255.32,2405 3275.32,2425 J2.4@3275.32,2450 3275.32,2500 J2.5@3225.32,2550
NetC50_1: C50.1 FB4.2 L5.1 R50.2 R51.1 U11.4 | length 382.7
  Signal Layer 1 w15: v2(400,2900) 445,2900 v1(510,2965) 580,3035 v1(605,3035)
  Bottom Layer w8: U11.4@499.72,2984.58 499.72,2971.67 510,2961.39 R51.1@539.29,2961.39 ; R50.2@584.29,3033.11 v1@601.89,3033.11
  Bottom Layer w15: C50.1@355.32,2893.28 C50.1@361.14,2899.11 362.03,2900 v2(400,2900)
NetC55_1: C55.1 D7.2 FB5.2 J3.1